# Altium PCB PCB_v2.PcbDoc (part 3 of 8) (continued)
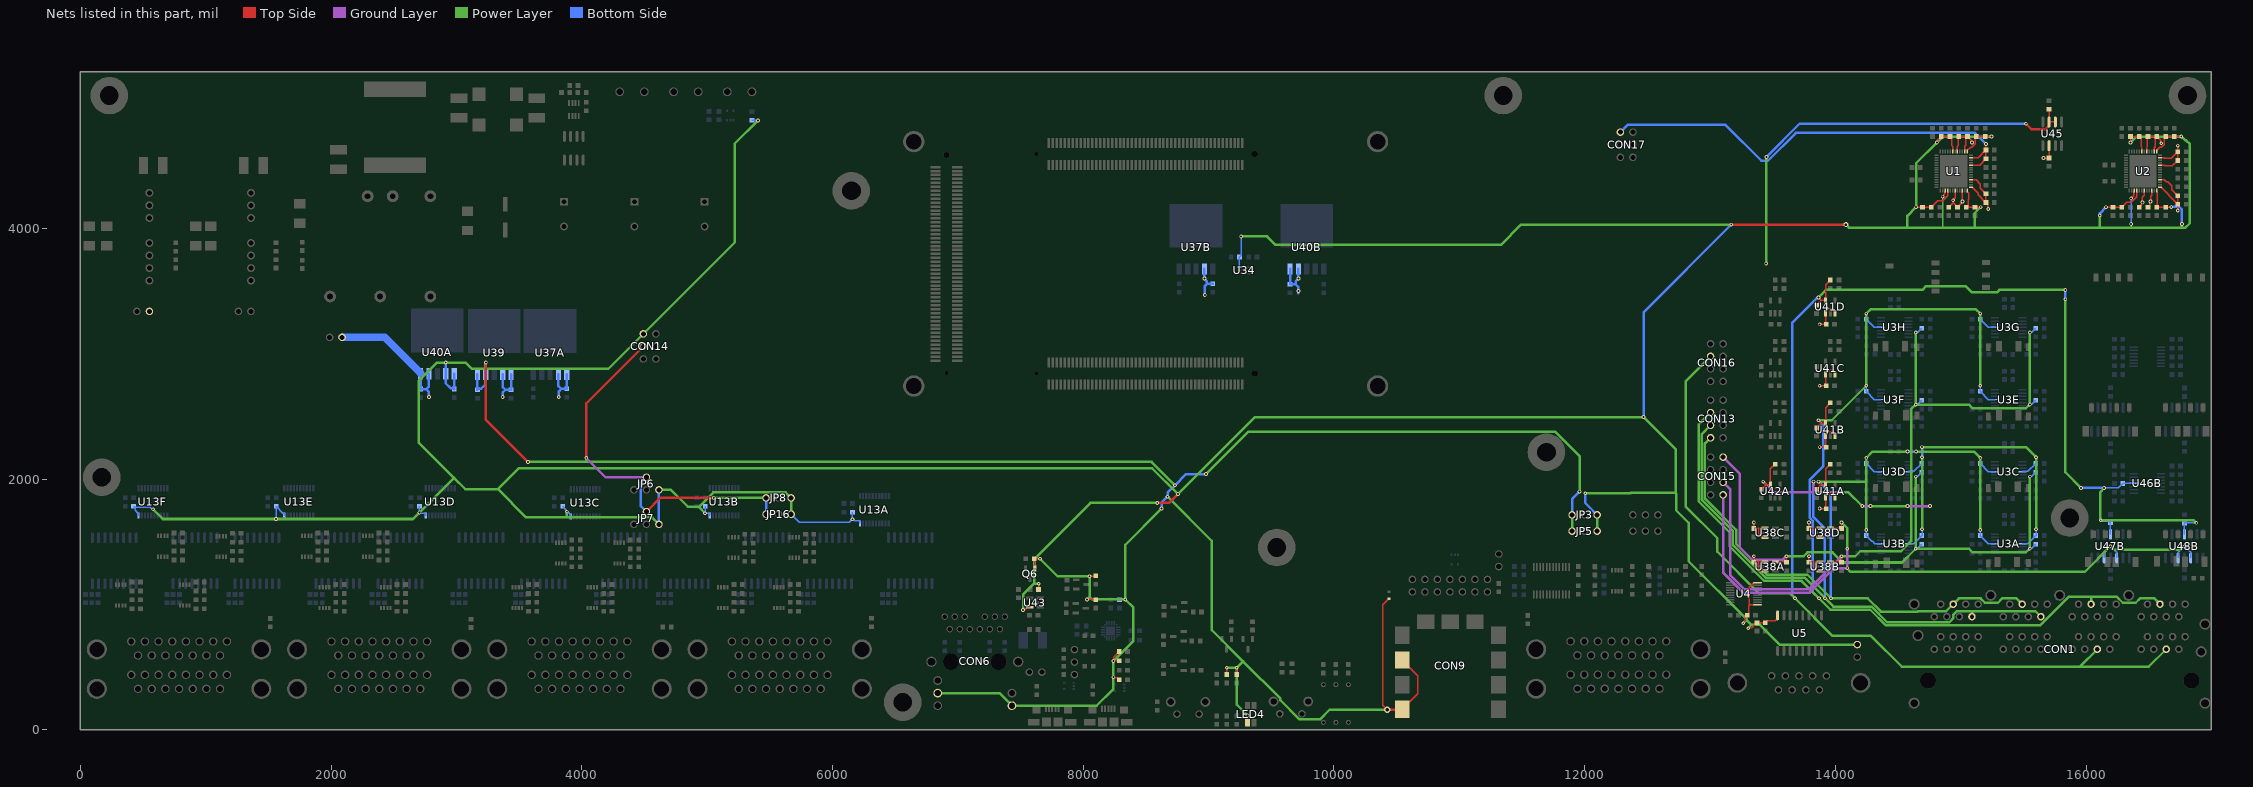
[diagram p5: the nets of this part, all layers, seen from the top]
## Part data (continued)
U39: "IC REG LINEAR 3.3V 3A 5DDPAK", Case/Package=TO-263-6, Dropout Voltage=340mV, Manufacturer="Analog Devices / Linear Technology", Max Input Voltage=20V, Max Operating Temperature=125°C, Max Output Current=3A, Min Current Limit=3.1A, Min Input Voltage=2.7V, Min Operating Temperature=-40°C, Nominal Output Voltage=3.3V, Package Quantity=50, Quiescent Current=1mA, Supplier Part Number 1=LT1764EQ-3.3#PBF-ND, ComponentLink1Description=https://datasheet.ciiva.com/2041/3538-2041701.pdf, ComponentLink1URL=https://datasheet.ciiva.com/2041/3538-2041701.pdf, ComponentLink2Description=https://datasheet.ciiva.com/7003/1576447-7003513.pdf, ComponentLink2URL=https://datasheet.ciiva.com/7003/1576447-7003513.pdf, ComponentLink3Description=https://datasheet.ciiva.com/8041/1576447-8041805.pdf, ComponentLink3URL=https://datasheet.ciiva.com/8041/1576447-8041805.pdf, ComponentLink4Description=https://datasheet.ciiva.com/19477/1740553-19477887.pdf, ComponentLink4URL=https://datasheet.ciiva.com/19477/1740553-19477887.pdf, ComponentLink5Description=https://datasheet.ciiva.com/26906/lt1764eq-3-3-pbf-26906033.pdf, ComponentLink5URL=https://datasheet.ciiva.com/26906/lt1764eq-3-3-pbf-26906033.pdf, Height=4.57mm, Lead Free="Lead Free", Length=10.54mm, Manufacturer Part Number=LT1764EQ-3.3#PBF, Mount="Surface Mount", Number of Outputs=1, Number of Pins=5, Number of Regulators=1, Output Current=3A, Output Type=Fixed, Output Voltage=3.3V, Packaging=Rail/Tube, Polarity=Positive, Pricing 1="1=7.56, 25=5.192, 100=4.2738 (USD)", REACH SVHC="No SVHC", Stock 1=1035, Supplier 1=Digi-Key, Width=9.4mm
U40A U40B: "IC REG LINEAR 5V 3A 5DDPAK", Case/Package=Q, Dropout Voltage=600mV, Manufacturer="Analog Devices / Linear Technology", Max Input Voltage=15V, Max Operating Temperature=125°C, Max Output Current=3A, Min Current Limit=3.2A, Min Input Voltage=3.8V, Min Operating Temperature=0°C, Nominal Output Voltage=5V, Operating Supply Current=50uA, Package Quantity=50, Power Supply Rejection Ratio (PSRR)=62dB, Supplier Part Number 1=LT1529CQ-5#PBF-ND, ComponentLink1Description=https://datasheet.ciiva.com/2041/2740-2041700.pdf, ComponentLink1URL=https://datasheet.ciiva.com/2041/2740-2041700.pdf, ComponentLink2Description=https://datasheet.ciiva.com/17053/0900766b80c5bb9a-17053636.pdf, ComponentLink2URL=https://datasheet.ciiva.com/17053/0900766b80c5bb9a-17053636.pdf, ComponentLink3Description=https://datasheet.ciiva.com/15111/getdatasheetpartid-82034-15111433.pdf, ComponentLink3URL=https://datasheet.ciiva.com/15111/getdatasheetpartid-82034-15111433.pdf, ComponentLink4Description=https://datasheet.ciiva.com/8041/1576443-8041723.pdf, ComponentLink4URL=https://datasheet.ciiva.com/8041/1576443-8041723.pdf, ComponentLink5Description=https://datasheet.ciiva.com/19473/1737899-19473853.pdf, ComponentLink5URL=https://datasheet.ciiva.com/19473/1737899-19473853.pdf, ComponentLink6Description=https://datasheet.ciiva.com/26905/lt1529cq-5-pbf-26905604.pdf, ComponentLink6URL=https://datasheet.ciiva.com/26905/lt1529cq-5-pbf-26905604.pdf, Height=4.57mm, Lead Free="Lead Free", Length=10.54mm, Manufacturer Part Number=LT1529CQ-5#PBF, Number of Outputs=1, Number of Pins=5, Number of Regulators=1, Output Current=3A, Output Type=Fixed, Output Voltage=5V, Packaging=Rail/Tube, Polarity=Positive, Pricing 1="1=7.56, 25=5.02, 100=3.7638 (USD)", Quiescent Current=50uA, Radiation Hardening=No, REACH SVHC="No SVHC", Stock 1=608, Supplier 1=Digi-Key, Width=9.4mm
U41A U41B U41C U41D: "IC REG LINEAR 200MA TSOT23-5", Case/Package=SOT-23-5, Dropout Voltage=200mV, Input Bias Current=1uA, Manufacturer="Analog Devices", Max Input Voltage=20V, Max Operating Temperature=125°C, Max Output Current=200mA, Min Current Limit=250mA, Min Input Voltage=2.7V, Min Operating Temperature=-40°C, Operating Supply Current=180uA, Output Voltage=19.8V, Package Quantity=3000, Power Supply Rejection Ratio (PSRR)=50dB, Quiescent Current=50uA, Supplier Part Number 1=ADP7118AUJZ-R7-ND, Accuracy=0.8%, ComponentLink1Description=http://www.mouser.com/ds/2/609/ADP7118-876130.pdf, ComponentLink1URL=http://www.mouser.com/ds/2/609/ADP7118-876130.pdf, ComponentLink2Description=http://www.farnell.com/datasheets/2250589.pdf, ComponentLink2URL=http://www.farnell.com/datasheets/2250589.pdf, ComponentLink3Description=http://www.analog.com/static/imported-files/data_sheets/ADP7118.pdf, ComponentLink3URL=http://www.analog.com/static/imported-files/data_sheets/ADP7118.pdf, Contact Plating=Tin,Matte, Lead Free="Contains Lead", Manufacturer Part Number=ADP7118AUJZ-R7, Mount="Surface Mount", Number of Outputs=1, Number of Pins=5, Number of Regulators=1, Output Current=200mA, Packaging="Tape and Reel", Polarity=Positive, Pricing 2="1=2.34, 10=2.102, 100=1.6893, 500=1.38792, 1000=1.15 (USD)", Stock 2=14665, Supplier 1=Digi-Key, Supplier 2=Digi-Key, Supplier Part Number 2=ADP7118AUJZ-R7DKR-ND
U42A U42B U42C U42D: "IC REG LINEAR 200MA 5TSOT", Case/Package=SOT-23-5, Dropout Voltage=200mV, Input Bias Current=1uA, Manufacturer="Analog Devices", Manufacturer Part Number=ADP7118AUJZ-R7, Max Input Voltage=20V, Max Operating Temperature=125°C, Max Output Current=200mA, Min Current Limit=250mA, Min Input Voltage=2.7V, Min Operating Temperature=-40°C, Operating Supply Current=180uA, Output Voltage=19.8V, Package Quantity=3000, Power Supply Rejection Ratio (PSRR)=50dB, Quiescent Current=50uA, Supplier Part Number 1=ADP7182AUJZ-R7-ND, Accuracy=0.8%, ComponentLink1Description=http://www.mouser.com/ds/2/609/ADP7118-876130.pdf, ComponentLink1URL=http://www.mouser.com/ds/2/609/ADP7118-876130.pdf, ComponentLink2Description=http://www.farnell.com/datasheets/2250589.pdf, ComponentLink2URL=http://www.farnell.com/datasheets/2250589.pdf, ComponentLink3Description=http://www.analog.com/static/imported-files/data_sheets/ADP7118.pdf, ComponentLink3URL=http://www.analog.com/static/imported-files/data_sheets/ADP7118.pdf, Contact Plating=Tin,Matte, Lead Free="Contains Lead", Mount="Surface Mount", Number of Outputs=1, Number of Pins=5, Number of Regulators=1, Output Current=200mA, Packaging="Tape and Reel", Polarity=Positive, Pricing 2="1=2.34, 10=2.102, 100=1.6893, 500=1.38792, 1000=1.15 (USD)", Stock 2=14665, Supplier 1=Digi-Key, Supplier 2=Digi-Key, Supplier Part Number 2=ADP7118AUJZ-R7DKR-ND
U43: "IC USB PWR SW 1CH 0.5A SOT23-5", Case/Package=SOT-23, Current=500mA, Manufacturer="Texas Instruments", Manufacturer Part Number=TPS2051CDBVT, Max Operating Temperature=85°C, Max Supply Voltage=5.5V, Min Operating Temperature=-40°C, Min Supply Voltage=4.5V, Nominal Supply Current=90uA, On-State Resistance=97mR, Package Quantity=250, Supplier Part Number 1=296-29537-1-ND, ComponentLink1Description=https://datasheet.ciiva.com/1512/tps2051c-1512801.pdf, ComponentLink1URL=https://datasheet.ciiva.com/1512/tps2051c-1512801.pdf, ComponentLink2Description=https://datasheet.ciiva.com/3216/tps2061c-3216901.pdf, ComponentLink2URL=https://datasheet.ciiva.com/3216/tps2061c-3216901.pdf, ComponentLink3Description=https://datasheet.ciiva.com/25906/tps2061c-25906072.pdf, ComponentLink3URL=https://datasheet.ciiva.com/25906/tps2061c-25906072.pdf, ComponentLink4Description=https://datasheet.ciiva.com/1963/tps2051c-1963178.pdf, ComponentLink4URL=https://datasheet.ciiva.com/1963/tps2051c-1963178.pdf, ComponentLink5Description=https://datasheet.ciiva.com/15113/getdatasheetpartid-355784-15113930.pdf, ComponentLink5URL=https://datasheet.ciiva.com/15113/getdatasheetpartid-355784-15113930.pdf, ComponentLink6Description=https://datasheet.ciiva.com/1963/tps2051c-1963179.pdf, ComponentLink6URL=https://datasheet.ciiva.com/1963/tps2051c-1963179.pdf, ComponentLink7Description=https://datasheet.ciiva.com/1963/tps2051c-1963180.pdf, ComponentLink7URL=https://datasheet.ciiva.com/1963/tps2051c-1963180.pdf, Fault Protection="Over Temperature,Reverse Current", Height=1.3mm, Interface=On/Off, Lead Free="Lead Free", Length=3.05mm, Max Output Current=500mA, Mount="Surface Mount", Number of Inputs=1, Number of Outputs=1, Number of Pins=5, Output Configuration="High Side", Output Current=500mA, Packaging="Tape and Reel", Pricing 2="1=1.38, 10=1.231, 100=0.9594 (USD)", Radiation Hardening=No, REACH SVHC="No SVHC", Stock 2=3902, Supplier 1=Digi-Key, Supplier 2=Digi-Key, Supplier Part Number 2=296-29759-6-ND, Voltage=5.5V, Width=1.75mm
U44: "IC BRIDGE USB TO UART 20QFN", Case/Package=QFN, Manufacturer="Silicon Labs", Manufacturer Part Number=CP2102N-A01-GQFN20, Max Operating Temperature=85°C, Max Supply Voltage=3.6V, Min Operating Temperature=-40°C, Min Supply Voltage=3V, Supplier Part Number 1=336-3692-ND, ComponentLink1Description=http://www.farnell.com/datasheets/2060533.pdf, ComponentLink1URL=http://www.farnell.com/datasheets/2060533.pdf, ComponentLink2Description=http://www.farnell.com/datasheets/2245279.pdf, ComponentLink2URL=http://www.farnell.com/datasheets/2245279.pdf, ComponentLink3Description=http://www.silabs.com/documents/public/data-sheets/cp2102n-datasheet.pdf, ComponentLink3URL=http://www.silabs.com/documents/public/data-sheets/cp2102n-datasheet.pdf, Number of Pins=20, Pricing 1="1=1.33, 25=1.2808, 100=1.2317, 1000=1.1526 (USD)", REACH SVHC=Unknown, Stock 1=16569, Supplier 1=Digi-Key
U45: "IC VREF SERIES 2.5V 8SOIC", Case/Package=SOIC, Manufacturer="Analog Devices / Linear Technology", Max Input Voltage=20V, Max Operating Temperature=70°C, Max Output Voltage=2.5V, Min Input Voltage=3V, Min Operating Temperature=0°C, Operating Supply Current=70uA, Output Current=100mA, Package Quantity=100, Quiescent Current=50uA, Supplier Part Number 1=LT1461CCS8-2.5#PBF-ND, Temperature Coefficient=12ppm/°C, Tolerance=0.08%, ComponentLink1Description=https://datasheet.ciiva.com/2008/1342-2008918.pdf, ComponentLink1URL=https://datasheet.ciiva.com/2008/1342-2008918.pdf, ComponentLink2Description=https://datasheet.ciiva.com/7003/1599656-7003304.pdf, ComponentLink2URL=https://datasheet.ciiva.com/7003/1599656-7003304.pdf, ComponentLink3Description=https://datasheet.ciiva.com/8041/1599656-8041704.pdf, ComponentLink3URL=https://datasheet.ciiva.com/8041/1599656-8041704.pdf, ComponentLink4Description=https://datasheet.ciiva.com/19474/1736562-19474044.pdf, ComponentLink4URL=https://datasheet.ciiva.com/19474/1736562-19474044.pdf, ComponentLink5Description=https://datasheet.ciiva.com/5698/1599656-5698223.pdf, ComponentLink5URL=https://datasheet.ciiva.com/5698/1599656-5698223.pdf, Lead Free="Lead Free", Manufacturer Part Number=LT1461CCS8-2.5#PBF, Min Output Voltage=2.5V, Mount="Surface Mount", Number of Pins=8, Output Type=Fixed, Output Voltage=2.5V, Packaging=Rail/Tube, Pricing 1="1=3.08, 25=2.042, 100=1.785 (USD)", REACH SVHC="No SVHC", Reference Type=Series, Reference Voltage=2.5V, Stock 1=1659, Supplier 1=Digi-Key
U46A U46B: Case/Package=TSSOP, Input Bias Current=50pA, Input Offset Voltage (Vos)=1.5uV, Manufacturer="Analog Devices", Manufacturer Part Number=ADA4522-4ARUZ-RL, Max Dual Supply Voltage=27.5V, Max Operating Temperature=125°C, Max Supply Voltage=55V, Min Dual Supply Voltage=2.25V, Min Operating Temperature=-40°C, Min Supply Voltage=4.5V, Operating Supply Current=830uA, Output Current per Channel=32mA, Power Supply Rejection Ratio (PSRR)=150dB, Supplier Part Number 1=ADA4522-4ARUZ-RLCT-ND, Voltage Gain=137dB, Common Mode Rejection Ratio=140dB, ComponentLink1Description=http://www.mouser.com/ds/2/609/ADA4522-1_4522-2_4522-4-914641.pdf, ComponentLink1URL=http://www.mouser.com/ds/2/609/ADA4522-1_4522-2_4522-4-914641.pdf, ComponentLink2Description=http://www.analog.com/media/en/technical-documentation/data-sheets/ADA4522-1_4522-2_4522-4.pdf, ComponentLink2URL=http://www.analog.com/media/en/technical-documentation/data-sheets/ADA4522-1_4522-2_4522-4.pdf, Contact Plating=Tin,Matte, Gain Bandwidth Product=2.7MHz, Lead Free="Contains Lead", Mount="Surface Mount", Number of Circuits=4, Number of Pins=14, Packaging="Tape and Reel", Pricing 1="1=8.7, 10=7.861, 100=6.5086, 500=5.66758, 1000=4.93628 (USD)", Slew Rate=1.7V/µs, Stock 1=1071, Supplier 1=Digi-Key
U47A U47B U48A U48B: "IC OPAMP DIFF 150KHZ 14SOIC", Case/Package=D, Dual Supply Voltage=15V, Input Offset Voltage (Vos)=750uV, Input Resistance=55kR, Manufacturer="Texas Instruments", Max Dual Supply Voltage=18V, Max Input Voltage=-1.65V, Max Operating Temperature=125°C, Max Supply Voltage=36V, Min Dual Supply Voltage=2.25V, Min Input Voltage=1.65V, Min Operating Temperature=-55°C, Min Supply Voltage=4.5V, Nominal Supply Current=2.4mA, Operating Supply Current=950uA, Output Current per Channel=32mA, Package Quantity=50, Supplier Part Number 1=INA2143UA-ND, Voltage Gain=20dB, -3db Bandwidth=150kHz, Bandwidth=150kHz, Common Mode Rejection Ratio=80dB, ComponentLink1Description=https://datasheet.ciiva.com/2976/ina2143-2976160.pdf, ComponentLink1URL=https://datasheet.ciiva.com/2976/ina2143-2976160.pdf, ComponentLink2Description=https://datasheet.ciiva.com/15128/getdatasheetpartid-393488-15128930.pdf, ComponentLink2URL=https://datasheet.ciiva.com/15128/getdatasheetpartid-393488-15128930.pdf, ComponentLink3Description=https://datasheet.ciiva.com/1485/33255-1485283.pdf, ComponentLink3URL=https://datasheet.ciiva.com/1485/33255-1485283.pdf, ComponentLink4Description=https://datasheet.ciiva.com/1800/ina143-1800008.pdf, ComponentLink4URL=https://datasheet.ciiva.com/1800/ina143-1800008.pdf, ComponentLink5Description=https://datasheet.ciiva.com/26190/sbos116-26190730.pdf, ComponentLink5URL=https://datasheet.ciiva.com/26190/sbos116-26190730.pdf, ComponentLink6Description=https://datasheet.ciiva.com/26852/ina2143ua-26852117.pdf, ComponentLink6URL=https://datasheet.ciiva.com/26852/ina2143ua-26852117.pdf, Lead Free="Lead Free", Manufacturer Part Number=INA2143UA, Number of Amplifiers=2, Number of Channels=2, Number of Circuits=2, Number of Elements=2, Number of Pins=14, Packaging=Rail/Tube, Pricing 1="1=3.96, 10=3.56, 100=2.9172, 500=2.48336, 1000=2.0944 (USD)", Quiescent Current=950uA, Radiation Hardening=No, REACH SVHC="No SVHC", Slew Rate=5V/µs, Stock 1=454, Supplier 1=Digi-Key, Weight=0.004564oz

## Via types
v1: diameter 30, hole 15, Top Side to Bottom Side, 922 vias
v2: diameter 25, hole 15, Top Side to Bottom Side, 30 vias
v3: diameter 60, hole 30, Top Side to Bottom Side, 29 vias
v4: diameter 50, hole 28, Top Side to Bottom Side, 7 vias
v5: diameter 40, hole 20, Top Side to Bottom Side, 2 vias

## Nets (pads, with @x,y where several pads share a name; then routed paths per layer and width w, separated by ;. In a path a pad name is that pad's centre, name@x,y a point inside that pad or via, vN(x,y) a via of type N, cw(c..) or ccw(c..) an arc to the next point about the centre after c; other vN are vias at no path point)
2.5VA: C160C.1 CON15.3 U38C.5 U47A.3 U47A.5 U48A.3 U48A.5 | length 6521.3
  Top Side w10: U38C.5@13522.32,1609.8 13606.06,1609.8 C160C.1@13610,1605.87 v1(13610,1655)
  Ground Layer w20: CON15.3@13105,2075 13211,1969 13211,1446.22 13327.22,1330 13597.43,1330 13640,1372.57 13640,1622.29 13610,1652.29 v1(13610,1655) ; v1(14135,1290) v1(14135,1445)
  Power Layer w20: v1(13610,1655) 13747.57,1655 13777.57,1685 14062.43,1685 14135,1612.43 v1(14135,1445) ; v1(14135,1290) 15703.35,1290 16035,1621.65 16035,2315 v1(16195,2475) 16197.71,2475 16227.71,2445 16752.29,2445 16782.29,2475 v1(16785,2475)
  Bottom Side w10: U47A.5@16145,2381.02 16145,2425 v1(16195,2475) 16245,2425 U47A.3@16245,2381.02 ; U48A.5@16735,2381.02 16735,2425 v1(16785,2475) 16835,2425 U48A.3@16835,2381.02
2.5VA: C160A.1 CON15.1 R9A.2 R9B.2 R9C.2 R9D.2 U38A.5 | length 4797.5
  Top Side w10: U38A.5@13522.32,1339.8 13606.06,1339.8 C160A.1@13610,1335.87 v1(13610,1385)
  Ground Layer w20: CON15.1@13105,2175 13236,2044 13236,1456.57 13337.57,1355 13577.29,1355 13607.29,1385 v1(13610,1385)
  Power Layer w20: v1(13610,1385) 13747.57,1385 13777.57,1415 13977.57,1415 14057.57,1335 14531.63,1335 v1(14641.63,1445) ; v1(14641.63,2020) v1(14641.63,1445) ; v1(15551.63,2020) v1(15551.63,1445) 15548.93,1445 15518.93,1415 15096.63,1415 15066.63,1445 v1(14641.63,1445)
  Bottom Side w10: v1(14641.63,1445) 14645.46,1448.83 14658.53,1448.83 R9B.2@14689.7,1480 ; v1(14641.63,2020) 14645.46,2023.83 14658.53,2023.83 R9D.2@14689.7,2055 ; v1(15551.63,1445) 15555.46,1448.83 15568.53,1448.83 R9A.2@15599.7,1480 ; v1(15551.63,2020) 15555.46,2023.83 15568.53,2023.83 R9C.2@15599.7,2055
2.5VB: C160D.1 CON15.7 U38D.5 U47B.3 U47B.5 U48B.3 U48B.5 | length 5552.1
  Top Side w10: U38D.5@13962.32,1609.8 14046.06,1609.8 C160D.1@14050,1605.87 v1(14050,1655)
  Ground Layer w20: CON15.7@13105,1875 13105,1253.93 13263.93,1095 13795.36,1095 13990.36,1290 v1(14095,1290) v1(14095,1445)
  Power Layer w20: v1(14050,1655) 14095,1610 v1(14095,1445) ; v1(14095,1290) 14095,1287.57 14122.57,1260 15990,1260 v1(16195,1465) 16197.71,1465 16227.71,1435 16752.29,1435 16782.29,1465 v1(16785,1465)
  Bottom Side w10: U47B.5@16145,1371.02 16145,1415 v1(16195,1465) 16245,1415 U47B.3@16245,1371.02 ; U48B.5@16735,1371.02 16735,1415 v1(16785,1465) 16835,1415 U48B.3@16835,1371.02
2.5VE: C160B.1 CON15.5 R9E.2 R9F.2 R9G.2 R9H.2 U38B.5 | length 5993.5
  Top Side w10: U38B.5@13962.32,1339.8 14046.06,1339.8 C160B.1@14050,1335.87 v1(14050,1385)
  Ground Layer w20: CON15.5@13105,1975 13160,1920 13160,1234.29 13274.29,1120 13785,1120 v1(14050,1385)
  Power Layer w20: v1(14050,1385) 14159.21,1385 14199.21,1425 14524.06,1425 14605,1505.94 14605,2558.37 v1(14641.63,2595) ; v1(14641.63,3170) v1(14641.63,2595) ; v1(15551.63,3170) v1(15551.63,2595) 15548.93,2595 15518.93,2565 15096.63,2565 15066.63,2595 v1(14641.63,2595)
  Bottom Side w10: v1(14641.63,2595) 14645.46,2598.83 14658.53,2598.83 R9F.2@14689.7,2630 ; v1(14641.63,3170) 14645.46,3173.83 14658.53,3173.83 R9H.2@14689.7,3205 ; v1(15551.63,2595) 15555.46,2598.83 15568.53,2598.83 R9E.2@15599.7,2630 ; v1(15551.63,3170) 15555.46,3173.83 15568.53,3173.83 R9G.2@15599.7,3205
2.5VREF: C1.1 C2.1 C6.1 C7.1 C11.1 C12.1 C15.1 C16.1 C24.1 C25.1 C31.1 C32.1 C37.1 C38.1 C43.1 C44.1 C178.1 CON17.5 U1.1 U1.4 U1.10 U1.13 U1.16 U1.19 U1.47 U1.50 U2.1 U2.4 U2.10 U2.13 U2.16 U2.19 U2.47 U2.50 U45.6 | length 6622.7
  Top Side w10: C16.1@14905,4170 14940,4205 ; U1.47@14954.84,4301.04 14954.84,4245.25 14940,4230.41 v1(14940,4225) 14940,4205 ; U1.19@14974.53,4612.04 14974.53,4654.17 14980,4659.64 14980,4728.07 C12.1@14985,4733.07 C11.1@15055,4733.07 ; U1.50@15013.9,4301.04 v1(15013.9,4215) 15010.07,4211.17 15010.07,4205.07 C15.1@14975,4170 14940,4205 ; U1.16@15033.58,4612.04 15033.58,4654.33 15041.3,4662.05 15041.3,4719.37 C11.1@15055,4733.07 ; U1.1@15081,4328.58 15091,4328.58 15139.92,4279.67 15139.92,4268.15 C6.1@15201.54,4206.54 ; U1.4@15081,4387.64 15122.42,4387.64 15155.63,4354.43 15155.63,4321.7 C1.1@15201.54,4275.79 C6.1@15201.54,4206.54 ; U1.10@15081,4505.75 15152.28,4505.75 C7.1@15201.54,4555 C2.1@15201.54,4626.54 ; U1.13@15081,4564.8 15139.8,4564.8 C2.1@15201.54,4626.54 ; v1(15090,4685) 15086.17,4688.83 15086.17,4701.9 C11.1@15055,4733.07 ; v1(15201.54,4674.33) C2.1@15201.54,4626.54 ; v1(15220,4155) 15220,4160.41 15215.24,4165.18 15215.24,4192.83 C6.1@15201.54,4206.54 ; v1(15660,4561.93) C178.1@15705,4561.93 15705.25,4562.18 U45.6@15705.25,4660.51 ; C44.1@16425,4170 16446.17,4191.17 16446.17,4204.5 v1(16450,4208.32) 16450,4250.83 16464.84,4265.67 U2.47@16464.84,4301.04 ; U2.19@16484.53,4612.04 16484.53,4644.68 16490,4650.16 16490,4728.07 C24.1@16495,4733.07 C25.1@16565,4733.07 ; C43.1@16495,4170 16508.7,4183.7 16508.7,4203.29 16515,4209.59 v1(16515,4215) 16515,4256.77 16523.9,4265.67 U2.50@16523.9,4301.04 ; U2.16@16543.58,4612.04 16543.58,4644.84 16551.3,4652.56 16551.3,4719.37 C25.1@16565,4733.07 ; U2.1@16591,4328.58 16601,4328.58 16659.92,4269.67 16659.92,4263.65 C38.1@16731.54,4192.04 ; U2.4@16591,4387.64 16624.33,4387.64 16638.7,4373.27 16650.36,4373.27 16684.1,4339.53 16684.1,4309.48 C37.1@16731.54,4262.04 C38.1@16731.54,4192.04 ; U2.10@16591,4505.75 16624.33,4505.75 16629.64,4500.43 16689.93,4500.43 C32.1@16731.54,4542.04 C31.1@16731.54,4612.04 ; U2.13@16591,4564.8 16624.84,4564.8 16629.64,4560 16679.5,4560 C31.1@16731.54,4612.04 ; v1(16600,4680) 16596.17,4683.83 16596.17,4701.9 C25.1@16565,4733.07 ; v1(16731.54,4143.08) C38.1@16731.54,4192.04 ; v1(16731.54,4660.51) C31.1@16731.54,4612.04
  Bottom Side w20: CON17.5@12285,4767.77 12343.48,4826.25 13123.75,4826.25 13410,4540 13462.43,4540 13685.5,4763.07 15112.8,4763.07 v1(15201.54,4674.33)
3.3V: C162.1 CON6.14 CON6.16 CON9.9 CON9.11 CON14.3 D2.A JP3.1 JP5.1 JP6.4 JP7.4 JP8.1 JP16.1 LED4.1 LED6.A LED7.A Q6.1 R10.2 R11.2 R44.2 R48.2 R49.2 R51.2 R56.1 U39.4 U39.5 | length 23785.7
  Top Side w10: R44.2@7608.46,1365 7612.95,1365 7613.94,1364.02 Q6.1@7613.94,1286.34 ; R44.2@7614.92,1365 v1(7655,1365) ; v1(8030,1040) 8097.21,1040 R51.2@8098.75,1038.46 ; v1(8050,1225) 8096.54,1225 R48.2@8100,1228.46 ; v1(8240,420) 8245.41,420 8251.71,413.7 8272.83,413.7 R49.2@8286.54,400 ; LED7.A@8286.54,550 v1(8240,550) 8241.54,551.54 8241.54,580 LED6.A@8286.54,625 ; R11.2@9145,441.06 v1(9145,495) ; R10.2@9225,441.06 v1(9225,495) ; LED4.1@9308.78,56.1 9310,57.32 v1(9310,115) ; v4(10425,160) 10390,195 10390,999.41 10438.03,1047.44 D2.A@10440,1047.44 ; CON9.11@10545,163.15 10670.46,288.61 10670.46,431.39 CON9.9@10545,556.85
  Top Side w20: v1(3234,2930) 3234,2473.12 v1(3570,2137.12) ; v1(4035,2170) 4035,2604.17 CON14.3@4490,3059.17 ; JP7.4@4515,1740 4625,1850 v1(5054,1850) ; v4(10425,160) 10541.85,160 CON9.11@10545,163.15
  Ground Layer w20: v1(4035,2170) 4190.01,2014.99 JP6.4@4515,2014.99
  Power Layer w20: v1(3570,2137.12) 3570.12,2137 4035,2137 ; v1(4035,2170) 4035,2137 ; v1(5054,1850) JP8.1@5469.83,1850 ; CON6.16@6839,293.03 7331,293.03 CON6.14@7431,193.03 8108.03,193.03 8240,325 v1(8240,420) v1(8240,550) 8400,710 8400,975 v1(8335,1040) ; v1(7655,1365) 7795,1225 v1(8050,1225) 8050,1060 ; v1(8030,1040) 8050,1060 ; v1(8625,1765) 8335,1475 v1(8335,1040) ; v1(8671.54,1860) 9025,1506.54 9025,796.16 9275,546.16 ; v1(8732.07,1950.91) 8545.98,2137 4035,2137 ; v1(8980,2040) 9320,2380 11763.35,2380 11960,2183.35 v1(11960,1900) ; v1(9145,495) v1(9225,495) ; v1(9310,115) 9225,200 v1(9225,495) ; v4(10425,160) 9965.95,160 9888.55,82.6 9726.36,82.6 9572.8,236.16 9572.8,248.36 9275,546.16 ; JP5.1@11900,1585 JP3.1@11900,1715 ; 8050,1060 8070,1040 v1(8335,1040) ; v1(9225,495) 9225,496.16 9275,546.16
  Bottom Side w10: R56.1@8290,1038.46 8291.54,1040 v1(8335,1040)
  Bottom Side w20: U39.5@3167,2835.65 C162.1@3167,2713.46 3174.9,2721.37 3195.7,2721.37 3234,2759.67 U39.4@3234,2835.65 v1(3234,2930) ; JP7.4@4515,1740 4470,1785 4470,1969.99 JP6.4@4515,2014.99 ; JP16.1@5469.83,1720.17 5469.91,1720.26 5469.91,1849.91 JP8.1@5469.83,1850 ; v1(8625,1765) 8625,1813.46 v1(8671.54,1860) 8673.45,1861.91 8673.45,1892.29 v1(8732.07,1950.91) 8821.16,2040 v1(8980,2040) ; JP3.1@11900,1715 11900,1840 v1(11960,1900)
5.5V: C157A.1 C157B.1 C159A.1 C159B.1 C159C.1 C159D.1 C161.1 C163A.1 C163B.1 C177.1 JP14.1 U37A.1 U37A.2 U37B.2 U38A.1 U38A.3 U38B.1 U38B.3 U38C.1 U38C.3 U38D.1 U38D.3 U39.1 U39.2 U40A.4 U40A.5 U40B.4 U40B.5 U45.2 U45.3 | length 6878.1
  Top Side w10: C159A.1@13350,1335.87 13353.94,1339.8 13390,1339.8 ; C159A.1@13350,1339.8 v1(13350,1385) ; C159C.1@13350,1605.87 13353.94,1609.8 13390,1609.8 ; C159C.1@13350,1609.8 v1(13350,1655) ; U38A.3@13437.68,1265 13419.96,1265 13390,1294.96 13390,1339.8 ; U38A.1@13437.68,1339.8 13390,1339.8 ; U38C.3@13437.68,1535 13419.96,1535 13390,1564.96 13390,1609.8 ; U38C.1@13437.68,1609.8 13390,1609.8 ; C159B.1@13790,1335.87 13793.94,1339.8 13830,1339.8 ; C159B.1@13790,1339.8 v1(13790,1385) ; C159D.1@13790,1605.87 13793.94,1609.8 13830,1609.8 ; C159D.1@13790,1609.8 v1(13790,1655) ; U38B.3@13877.68,1265 13859.96,1265 13830,1294.96 13830,1339.8 ; U38B.1@13877.68,1339.8 13830,1339.8 ; U38D.3@13877.68,1535 13859.96,1535 13830,1564.96 13830,1609.8 ; U38D.1@13877.68,1609.8 13830,1609.8 ; U45.3@15705,4849.49 15705.25,4849.73 15705.25,4951.29 C177.1@15705,4951.54 ; U45.3@15705.25,4849.49 U45.2@15755.25,4849.49
  Top Side w20: v1(15520,4835) 15563.82,4791.18 15677.46,4791.18 15705.25,4818.97 U45.3@15705.25,4849.49
  Power Layer w20: v1(13448.4,3720) 13449.2,3720.8 13449.2,4569.2 v1(13450,4570)
  Bottom Side w20: U40A.5@2713.41,2840 C163A.1@2713.41,2718.46 2758.46,2718.46 ; v1(2780,2655) 2778.09,2656.91 2778.09,2698.84 2758.46,2718.46 ; U40A.4@2780.41,2840 2780.41,2740.41 2758.46,2718.46 ; v1(3368,2655) 3369.91,2656.91 3369.91,2693.38 3390,2713.46 ; U39.2@3368,2835.65 3368,2735.46 3390,2713.46 ; U39.1@3435,2835.65 C161.1@3435,2713.46 3390,2713.46 ; U37A.2@3813,2835.65 3813,2742.54 3835.54,2719.99 ; v1(3816,2655) 3816,2700.45 3835.54,2719.99 ; U37A.1@3880,2835.65 C157A.1@3880,2719.99 3835.54,2719.99 ; U37B.2@8967.02,3676.54 8967.02,3597.29 8987.17,3577.15 8987.17,3558.46 ; v1(8970.02,3470) 8970.02,3541.32 8987.17,3558.46 ; C157B.1@9034.02,3558.46 8987.17,3558.46 ; U40B.5@9649.88,3676.54 C163B.1@9649.88,3555 9694.94,3555 ; 9716.88,3481.66 v1(9716.88,3500) 9714.97,3501.91 9714.97,3534.97 9694.94,3555 ; U40B.4@9716.88,3676.54 9716.88,3597.29 9694.94,3575.35 9694.94,3555 ; v1(13450,4570) 13715,4835 v1(15520,4835)
  Bottom Side w60: JP14.1@2087.7,3131.37 2428.04,3131.37 2713.41,2846 U40A.5@2713.41,2840
  other v1: 8967.02,3600 9716.88,3600
5V: C3.1 C4.1 C8.1 C9.1 C13.1 C14.1 C17.1 C18.1 C26.1 C27.1 C33.1 C34.1 C39.1 C40.1 C45.1 C46.1 C53.1 C54.1 C55.1 C86.1 C91A.1 C91B.1 C91C.1 C91D.1 C91E.1 C91F.1 C164A.1 CON14.5 JP1.1 JP3.3 JP5.3 JP6.3 JP7.3 JP8.3 JP16.3 R13.1 R45.2 U1.15 U1.21 U1.43 U1.44 U1.52 U2.15 U2.21 U2.43 U2.44 U2.52 U4.1 U4.10 U5.16 U13A.20 U13B.20 U13C.20 U13D.20 U13E.20 U13F.20 U34.6 U40A.1 U40A.2 U43.5 | length 44766.6
  Top Side w10: v1(7520,957.02) 7523.83,960.85 7538.21,960.85 7554.96,977.6 U43.5@7572.68,977.6 ; R45.2@7643.46,1120 7645,1121.54 v1(7645,1165) ; v1(13265,850) 13265,855.41 13282.83,873.25 13282.83,901.54 C54.1@13296.54,915.24 13310.24,928.94 13310.24,988.31 13318.58,996.65 ; v1(13305,810) 13308.83,813.83 13333.7,813.83 C55.1@13375,855.12 C53.1@13440,855.12 13453.7,868.82 13519.72,868.82 13540,889.11 U5.16@13540,912.98 ; U4.1@13379.25,996.65 13318.58,996.65 ; U4.10@13379.25,1173.82 13350.22,1173.82 13346.44,1170.04 13344.12,1170.04 13312.72,1138.64 13312.72,1002.51 13318.58,996.65 ; v1(14645,4170) C14.1@14695,4170 C13.1@14765,4170 14816.83,4221.83 14856.66,4221.83 14895.79,4260.97 U1.44@14895.79,4301.04 ; v1(14810,4685) 14813.83,4688.83 14813.83,4701.9 C4.1@14845,4733.07 C3.1@14915,4733.07 14928.7,4719.37 14928.7,4660.94 14935.16,4654.49 U1.21@14935.16,4612.04 ; v1(14856.42,4253.41) 14856.42,4258.83 14874.39,4276.8 14874.39,4289.32 14876.1,4291.04 U1.43@14876.1,4301.04 ; U1.52@15053.27,4301.04 15053.27,4291.04 15065,4279.3 15065,4234.64 15058.7,4228.35 15058.7,4183.7 C18.1@15045,4170 C17.1@15115,4170 v1(15160,4170) ; U1.15@15053.27,4612.04 15053.27,4622.04 15080.07,4648.84 15089.2,4648.84 15115,4674.64 15115,4723.07 C8.1@15125,4733.07 C9.1@15195,4733.07 v1(15245,4733.07) ; v1(16160,4170) C39.1@16215,4170 C40.1@16285,4170 16325,4210 16361.82,4210 16405.79,4253.97 U2.44@16405.79,4301.04 ; v1(16355,4685) C34.1@16355,4733.07 C33.1@16425,4733.07 16438.7,4719.37 16438.7,4651.46 16445.16,4645 U2.21@16445.16,4612.04 ; v1(16360,4240) 16382.42,4262.42 16382.42,4287.35 16386.1,4291.04 U2.43@16386.1,4301.04 ; U2.52@16563.27,4301.04 16563.27,4291.04 16568.58,4285.72 16568.58,4173.58 C46.1@16565,4170 C45.1@16635,4170 v1(16680,4170) ; U2.15@16563.27,4612.04 16563.27,4622.04 16587.57,4646.34 16601.7,4646.34 16625,4669.64 16625,4723.07 C27.1@16635,4733.07 C26.1@16705,4733.07 v1(16760,4733.07)
  Top Side w20: v1(8590,1810) 8685.31,1810 v1(8755.31,1880) ; v1(13170,4030) v5(14085,4030)
  Power Layer w10: v1(14856.42,4253.41) 14858.07,4251.76 14858.07,4006 ; 16360,4006 v1(16360,4035)
  Power Layer w20: v1(580,1760) 657.98,1682.02 v1@1557.98,1682.02 ; v1@1562.02,1682.02 2652.73,1682.02 v1(2703.31,1732.6) 2703.31,1733.31 2979.99,2009.99 ; v1(3880,1740) 3878.09,1738.09 3878.09,1696.43 3876.65,1695 ; JP7.3@4615,1640 4560,1695 3876.65,1695 ; JP6.3@4615,1914.99 4710.94,1914.99 4844.62,1781.31 4929.74,1781.31 ; v1(4983.31,1727.74) 4933.02,1778.02 5050,1895 5624.83,1895 JP8.3@5669.83,1850 5669.91,1849.91 5669.91,1720.09 JP16.3@5670,1720 ; v1(5405.25,4861.45) 5220,4676.2 5220,3889.17 CON14.5@4490,3159.17 4210.83,2880 3122.65,2880 3072.65,2930 v1(2914.41,2930) 2844.31,2930 2698.41,2784.1 2698.41,2291.58 2979.99,2009.99 ; v1(7520,957.02) 7520,1080 7610,1170 ; v1(7645,1165) 7643.09,1166.91 7613.09,1166.91 7610,1170 ; v1(8590,1810) 8057.57,1810 7610,1362.43 7610,1170 ; v1(9260,3936.54) 9467.4,3936.54 9534.55,3869.39 11333.37,3869.39 11493.98,4030 v1(13170,4030) ; v1(12005,1887) 12364.85,1887 12367.85,1890 12725,1890 ; JP5.3@12100,1585 JP3.3@12100,1715 ; v1(13265,850) 13291.54,876.54 ; v1(13305,810) 13331.54,836.54 ; v5(14085,4030) 14109,4006 14575,4006 ; JP1.1@14175,680 13555.77,680 13399.23,836.54 13331.54,836.54 ; v1(15160,4170) 15111.29,4121.29 15111.29,4006 ; v1(15245,4733.07) 14858.07,4733.07 v1(14810,4685) 14645,4520 v1(14645,4170) 14575,4100 14575,4006 ; v1(16110,4103.07) 16110,4006 ; v1(16355,4685) 16403.07,4733.07 v1(16760,4733.07) 16761.08,4733.07 16792.36,4701.79 16799.1,4701.79 16828.46,4672.43 16828.46,4041.18 16793.28,4006 16765,4006 ; v1(16765,4035) 16765,4006 ; 2979.99,2009.99 3070,1919.99 3329.99,1919.99 ; 3329.99,1919.99 3494.99,2084.99 8550.32,2084.99 v1(8755.31,1880) 9370.31,2495 v1(12470,2495) 12725,2240 12725,1890 ; 3329.99,1919.99 3554.98,1695 3876.65,1695 ; 12725,1890 12730,1885 12730,1751.9 12830,1651.9 12830,1345.15 13291.54,883.61 13291.54,876.54 ; 13291.54,876.54 13331.54,836.54 ; 14575,4006 14858.07,4006 15111.29,4006 ; 15111.29,4006 16110,4006 ; 16110,4006 16360,4006 16765,4006
  Bottom Side w10: C91F.1@423.09,1782.6 C91F.1@428.51,1777.18 ; U13F.20@462.72,1709.09 462.72,1724.84 436.8,1750.76 436.8,1768.9 C91F.1@428.51,1777.18 ; v1(580,1760) 574.59,1760 557.41,1777.18 C91F.1@428.51,1777.18 ; v1(1560,1682.02) 1560,1781.43 C91E.1@1561.17,1782.6 1615.06,1728.7 1622.09,1728.7 1625.94,1724.84 U13E.20@1625.94,1709.09 ; v1(2703.31,1732.6) 2703.31,1781.67 C91D.1@2704.24,1782.6 ; v1@2712.62,1728.7 2750.91,1728.7 2754.76,1724.84 U13D.20@2754.76,1709.09 ; C91C.1@3847.31,1782.6 3876.17,1753.73 3876.17,1743.87 3883.87,1736.17 3892.02,1736.17 3910.94,1717.24 U13C.20@3910.94,1709.09 ; C91B.1@4985.38,1782.6 4983.31,1780.53 4983.31,1732.6 4988.17,1727.74 5016.17,1727.74 5020.02,1723.88 U13B.20@5020.02,1709.09 U13B.20@5020.02,1708.35 ; R13.1@5356.85,4863.07 v1@5401.36,4863.07 ; JP16.3@5670,1720 5735.04,1654.96 6133.31,1654.96 v1(6158.31,1679.96) ; C91A.1@6158.45,1734.96 6158.31,1734.82 v1(6158.31,1679.96) ; U13A.20@6218.24,1646.5 6218.24,1662.24 6214.39,1666.1 6177.58,1666.1 6163.72,1679.96 v1(6158.31,1679.96) ; U34.6@9245.71,3692.13 9245.71,3770.67 C86.1@9246.58,3771.54 9260.28,3785.24 9260.28,3936.26 v1(9260,3936.54) ; v1(16360,4035) v1(16360,4240)
  Bottom Side w20: v1(2914.41,2930) U40A.2@2914.41,2840 2914.41,2764.67 2952.71,2726.37 2973.5,2726.37 C164A.1@2981.41,2718.46 U40A.1@2981.41,2840 ; JP7.3@4615,1640 JP6.3@4615,1914.99 ; v1(12005,1887) 12005,1810 JP3.3@12100,1715 ; v1(12470,2495) 12470,3330 v1(13170,4030) ; v1(16110,4103.07) 16110,4120 v1(16160,4170) ; v1(16680,4170) 16681.91,4171.91 16717.94,4171.91 16719.11,4173.08 16743.96,4173.08 16765,4152.04 v1(16765,4035)
+15VA: C166C.2 C179A.1 C183A.1 C187A.1 CON1.3E CON1.3F CON16.1 R38C.2 U41C.5 U46A.4 U47A.11 U48A.11 | length 10566.4
  Top Side w10: C166C.2@13850,2898.46 13888.11,2936.57 ; v1(13865,2960) 13865,2959.68 13888.11,2936.57 ; R38C.2@13960,3098.46 13922.6,3061.06 U41C.5@13922.6,2936.57 13888.11,2936.57
  Top Side w20: v1(14180,2930) v1(14605,2930)
  Power Layer w20: CON16.1@13005,2780 12857,2632 12857,1803.09 13107.79,1552.31 13107.79,1443.37 13412.22,1138.94 13684.63,1138.94 v1(13773.57,1050) 13917.57,906 14222,906 v1(14430,698) ; v1(13865,2960) 14147.29,2960 14177.29,2930 v1(14180,2930) ; v1(14825.16,2945) v1(15105,2945) ; v1(16145,2940) 16110,2905 16110,2692.71 16140,2662.71 v1(16140,2660) 16149.75,2669.75 v1(16680,2669.75)
  Bottom Side w10: v1(16140,2660) 16193.46,2660 C179A.1@16195,2661.54 U47A.11@16195,2570 ; v1(16145,2940) 16258.46,2940 C187A.1@16293.46,2975 16293.98,2975.51 U46A.4@16380.75,2975.51 ; v1(16680,2669.75) 16775.25,2669.75 C183A.1@16785,2660 U48A.11@16785,2570
  Bottom Side w20: v1(13773.57,1050) 13705,1118.57 13705,2230.57 13765,2290.57 13765,2482.43 13905,2622.43 13905,2920 v1(13865,2960) ; v1(14430,698) 14603,525 14990.16,525 ; v1(14605,2930) 14807.45,2930 14822.45,2945 v1(14825.16,2945) ; CON1.3E@14990.16,643 14990.16,525 ; v1(15105,2945) 16137.29,2945 16142.29,2940 v1(16145,2940) ; CON1.3F@15540.16,643 15422.16,525 14990.16,525
+15VA: C166A.2 C189A.1 C189B.1 C189C.1 C189D.1 CON1.3A CON1.3B CON13.1 R38A.2 U3A.4 U3B.4 U3C.4 U3D.4 U41A.5 | length 8072.7
  Top Side w10: C166A.2@13850,1918.46 13888.11,1956.57 ; v1(13865,1980) 13865,1979.68 13888.11,1956.57 ; R38A.2@13960,2118.46 13922.6,2081.06 U41A.5@13922.6,1956.57 13888.11,1956.57
  Power Layer w20: CON13.1@13005,2330 12960,2285 12960,1844.34 13207.79,1596.56 13207.79,1484.79 13453.64,1238.94 13776.06,1238.94 v1(13965,1050) 14257.57,1050 14364.02,943.55 14653.89,943.55 14658.18,947.84 14885.16,947.84 14985.16,1047.84 15158.8,1047.84 15193.01,1013.63 15296.57,1013.63 15330.78,1047.84 15445.16,1047.84 CON1.3B@15490.16,1002.84 ; v1(13865,1980) 14246.63,1980 ; v1(14246.63,1595) 14246.63,1980 ; v1(14575,2220) 14296.63,2220 v1(14246.63,2170) 14246.63,1980 ; v1(14645,2220) 15106.63,2220 v1(15156.63,2170) v1(15156.63,1595)
  Bottom Side w10: v1(14246.63,1595) C189B.1@14246.63,1550 14291.63,1505 14297.69,1505 14316.44,1486.25 14363.01,1486.25 U3B.4@14363.92,1485.35 ; v1(14246.63,2170) C189D.1@14246.63,2125 14311.28,2060.35 U3D.4@14363.92,2060.35 ; v1(15156.63,1595) C189A.1@15156.63,1550 15221.28,1485.35 U3A.4@15273.92,1485.35 ; v1(15156.63,2170) C189C.1@15156.63,2125 15221.28,2060.35 U3C.4@15273.92,2060.35
  Bottom Side w20: v1(13865,1980) 13965,1880 v1(13965,1050) ; v1(14575,2220) v1(14645,2220)
+15VB: C166D.2 C179B.1 C183B.1 C187B.1 CON1.3G CON1.3H CON16.5 R38D.2 U41D.5 U46B.4 U47B.11 U48B.11 | length 14270.2
  Top Side w10: C166D.2@13850,3388.46 13888.11,3426.57 ; v1(13865,3450) 13865,3449.68 13888.11,3426.57 ; R38D.2@13960,3588.46 13922.6,3551.06 U41D.5@13922.6,3426.57 13888.11,3426.57
  Power Layer w20: CON16.5@13005,2980 12805,2780 12805,1782.97 13057.79,1530.18 13057.79,1422.65 13391.5,1088.94 13638.92,1088.94 v1(13677.86,1050) 13977.86,750 14283.77,750 14530.15,503.62 15950.77,503.62 ; v1(13865,3450) 13925,3510 14695,3510 14725,3540 15039.07,3540 15089.07,3490 15289.29,3490 15309.29,3510 v1(15835,3510) ; v1(15835,3435) 15835,2055 v1(15960,1930) ; CON1.3G@16090.16,643 15950.77,503.62 ; v1(16145,1930) 16145,1927.29 16115,1897.29 16115,1675 v1(16117.5,1672.5) 16856.33,1672.5 16877.29,1651.54 v1(16880,1651.54) ; CON1.3H@16640.16,643 16500.77,503.62 15950.77,503.62
  Bottom Side w10: v1(16117.5,1672.5) 16122.91,1672.5 16130.18,1665.24 16181.3,1665.24 C179B.1@16195,1651.54 U47B.11@16195,1560 ; v1(16145,1930) 16258.46,1930 C187B.1@16293.46,1965 16293.98,1965.51 U46B.4@16380.75,1965.51 ; U48B.11@16785,1560 C183B.1@16785,1650 16786.54,1651.54 v1(16880,1651.54)
  Bottom Side w20: v1(13677.86,1050) 13677.86,1052.71 13655,1075.56 13655,3245.43 13857.66,3448.09 13863.09,3448.09 v1(13865,3450) ; v1(15835,3435) v1(15835,3510) ; v1(15960,1930) v1(16145,1930)
+15VE: C166B.2 C189E.1 C189F.1 C189G.1 C189H.1 CON1.3C CON1.3D CON13.5 R38B.2 U3E.4 U3F.4 U3G.4 U3H.4 U41B.5 | length 10257.5
  Top Side w10: C166B.2@13850,2408.46 13888.11,2446.57 ; v1(13865,2470) 13865,2469.68 13888.11,2446.57 ; R38B.2@13960,2608.46 13922.6,2571.06 U41B.5@13922.6,2446.57 13888.11,2446.57
  Power Layer w20: CON13.5@13005,2530 12910,2435 12910,1823.63 13157.79,1575.85 13157.79,1464.08 13432.93,1188.94 13730.35,1188.94 13961.29,958 14278.86,958 14404.02,832.84 15633.93,832.84 15861.09,1060 16040,1060 ; v1(13865,2470) 13971.63,2470 v1(14246.63,2745) v1(14246.63,3320) 14281.63,3355 15121.63,3355 v1(15156.63,3320) v1(15156.63,2745) ; CON1.3C@16040.16,1002.84 16040,1003 16040,1060 ; CON1.3D@16590.16,1002.84 16545.16,1047.84 16430.78,1047.84 16396.57,1013.63 16293.01,1013.63 16246.64,1060 16040,1060
  Bottom Side w10: v1(14246.63,2745) C189F.1@14246.63,2700 14311.28,2635.35 U3F.4@14363.92,2635.35 ; v1(14246.63,3320) C189H.1@14246.63,3275 14311.28,3210.35 U3H.4@14363.92,3210.35 ; v1(15156.63,2745) C189E.1@15156.63,2700 15221.28,2635.35 U3E.4@15273.92,2635.35 ; v1(15156.63,3320) C189G.1@15156.63,3275 15221.28,3210.35 U3G.4@15273.92,3210.35
  Bottom Side w20: v1(13865,2470) 13905,2430 13905,2103.84 13795,1993.84 13795,1692.43 13820,1667.43 13820,1099.29 v1(13869.29,1050)
+16V: C165A.2 C165B.2 C165C.2 C165D.2 JP13.1 U41A.1 U41A.3 U41B.1 U41B.3 U41C.1 U41C.3 U41D.1 U41D.3 | length 1039
  Top Side w10: v1(13875,1765) C165A.2@13926.54,1765 13922.6,1768.94 13922.6,1865.24 13936.87,1879.51 13936.87,1880.66 13943.65,1887.44 13976.35,1887.44 13990.2,1873.59 13990.2,1860.63 U41A.3@13997.4,1853.43 ; v1(13875,2255) C165B.2@13926.54,2255 13922.6,2258.94 13922.6,2355.24 13936.87,2369.51 13936.87,2370.66 13943.65,2377.44 13976.35,2377.44 13990.2,2363.59 13990.2,2350.63 U41B.3@13997.4,2343.43 ; v1(13875,2745) C165C.2@13926.54,2745 13922.6,2748.94 U41C.1@13922.6,2833.43 13922.6,2846.39 13943.65,2867.44 13976.35,2867.44 13990.2,2853.59 13990.2,2840.63 U41C.3@13997.4,2833.43 ; v1(13875,3235) C165D.2@13926.54,3235 13922.6,3238.94 13922.6,3335.24 13936.87,3349.51 13936.87,3350.66 13943.65,3357.44 13976.35,3357.44 13990.2,3343.59 13990.2,3330.63 U41D.3@13997.4,3323.43
-15VA: C168C.1 C180A.1 C184A.1 C188A.1 CON1.5E CON1.5F CON16.3 R41C.1 U42C.5 U46A.11 U47A.4 U48A.4 | length 12741.1
  Top Side w10: C168C.1@13410,2898.46 13448.11,2936.57 ; v1(13425,2960) 13425,2959.68 13448.11,2936.57 ; R41C.1@13520,3098.46 13482.6,3061.06 U42C.5@13482.6,2936.57 13448.11,2936.57
  Ground Layer w20: v1(13425,2960) 13495,3030 v1(13835,3030) v1(14085,3030)
  Power Layer w20: CON16.3@13005,2880 12832,2707 12832,1791.32 13082.79,1540.54 13082.79,1433.01 13401.86,1113.94 13661.78,1113.94 v1(13725.71,1050) 13917.67,858.04 14211.08,858.04 14401.12,668 14718.36,668 14738.36,688 14785.16,688 CON1.5E@14840.16,743 14885.16,698 15345.16,698 CON1.5F@15390.16,743 ; v1(14085,3030) 14085,3265.79 14284.21,3465 16492.43,3465 16785,3172.43 16785,2995 v1(16840,2940) 16965,2815 16965,2420 16830,2285 v1(16750,2285) v1(16145,2285)
  Bottom Side w10: v1(16145,2285) 16193.46,2285 C180A.1@16195,2283.46 U47A.4@16195,2381.02 ; U46A.11@16599.25,2975.51 16686.02,2975.51 C188A.1@16686.54,2975 16721.54,2940 v1(16840,2940) ; v1(16750,2285) 16781.54,2285 C184A.1@16785,2288.46 U48A.4@16785,2381.02
  Bottom Side w20: v1(13725.71,1050) 13680,1095.71 13680,2432.78 13835,2587.78 v1(13835,3030)
-15VA: C168A.1 C190A.1 C190B.1 C190C.1 C190D.1 CON1.5A CON1.5B CON13.3 R41A.1 U3A.11 U3B.11 U3C.11 U3D.11 U42A.5 | length 9657.7
  Top Side w10: C168A.1@13410,1918.46 13448.11,1956.57 ; v1(13425,1980) 13425,1979.68 13448.11,1956.57 ; R41A.1@13520,2118.46 13482.6,2081.06 U42A.5@13482.6,1956.57 13448.11,1956.57
  Ground Layer w20: v1(13425,1980) 13510,1895 13825,1895 ; v1(13825,1980) 13825,1895 ; v1(14035,1895) 13825,1895 ; v1(14215,1785) v1(14280,1785) ; v1(14575,1785) v1(14755,1785)
  Power Layer w20: CON13.3@13005,2430 12935,2360 12935,1833.99 13182.79,1586.2 13182.79,1474.43 13443.28,1213.94 13753.21,1213.94 13984.14,983 14289.22,983 14414.38,857.84 14908.8,857.84 14940.16,889.2 14940.16,916.48 14971.52,947.84 15091.63,947.84 ; v1(14035,1895) 14105,1895 v1(14215,1785) ; v1(14280,1785) v1(14575,1785) ; v1(14691.63,1600) 14691.63,1785 ; v1(14691.63,2175) 14691.63,1785 ; v1(14691.63,2255) 15521.63,2255 v1(15601.63,2175) v1(15601.63,1600) ; v1(14755,1785) 14691.63,1785 ; CON1.5A@15090.16,902.84 15091.63,904.32 15091.63,947.84 ; CON1.5B@15640.16,902.84 15595.16,947.84 15091.63,947.84
  Bottom Side w10: U3B.11@14582.42,1485.35 14583.33,1486.25 14625.96,1486.25 14691.63,1551.93 v1(14691.63,1600) ; U3D.11@14582.42,2060.35 14583.33,2061.25 14625.96,2061.25 14691.63,2126.93 14691.63,2171.14 v1@14689.7,2173.07 ; U3A.11@15492.42,1485.35 15493.33,1486.25 15535.96,1486.25 15601.63,1551.93 v1(15601.63,1600) ; U3C.11@15492.42,2060.35 15493.33,2061.25 15535.96,2061.25 15601.63,2126.93 v1(15601.63,2175)
  Bottom Side w20: v1(13825,1980) 13825,1697.78 13917.14,1605.64 v1(13917.14,1050) ; v1@14689.7,2173.07 v1(14691.63,2175) v1(14691.63,2255)